# Altium PCB LH-RAM_OB_USB_A_V1.0(DY)20170519.PcbDoc (part 2 of 3)
Units mm, origin at the board's own origin, x right, y up, seen from the top; angles counter-clockwise.
Board outline 99.09 x 92.63 mm, 2 copper layers (Top Layer, Bottom Layer); 280 components, 27 nets, 1180 pads, 290 vias.
Unrouted connection lines stored in the file: 234.
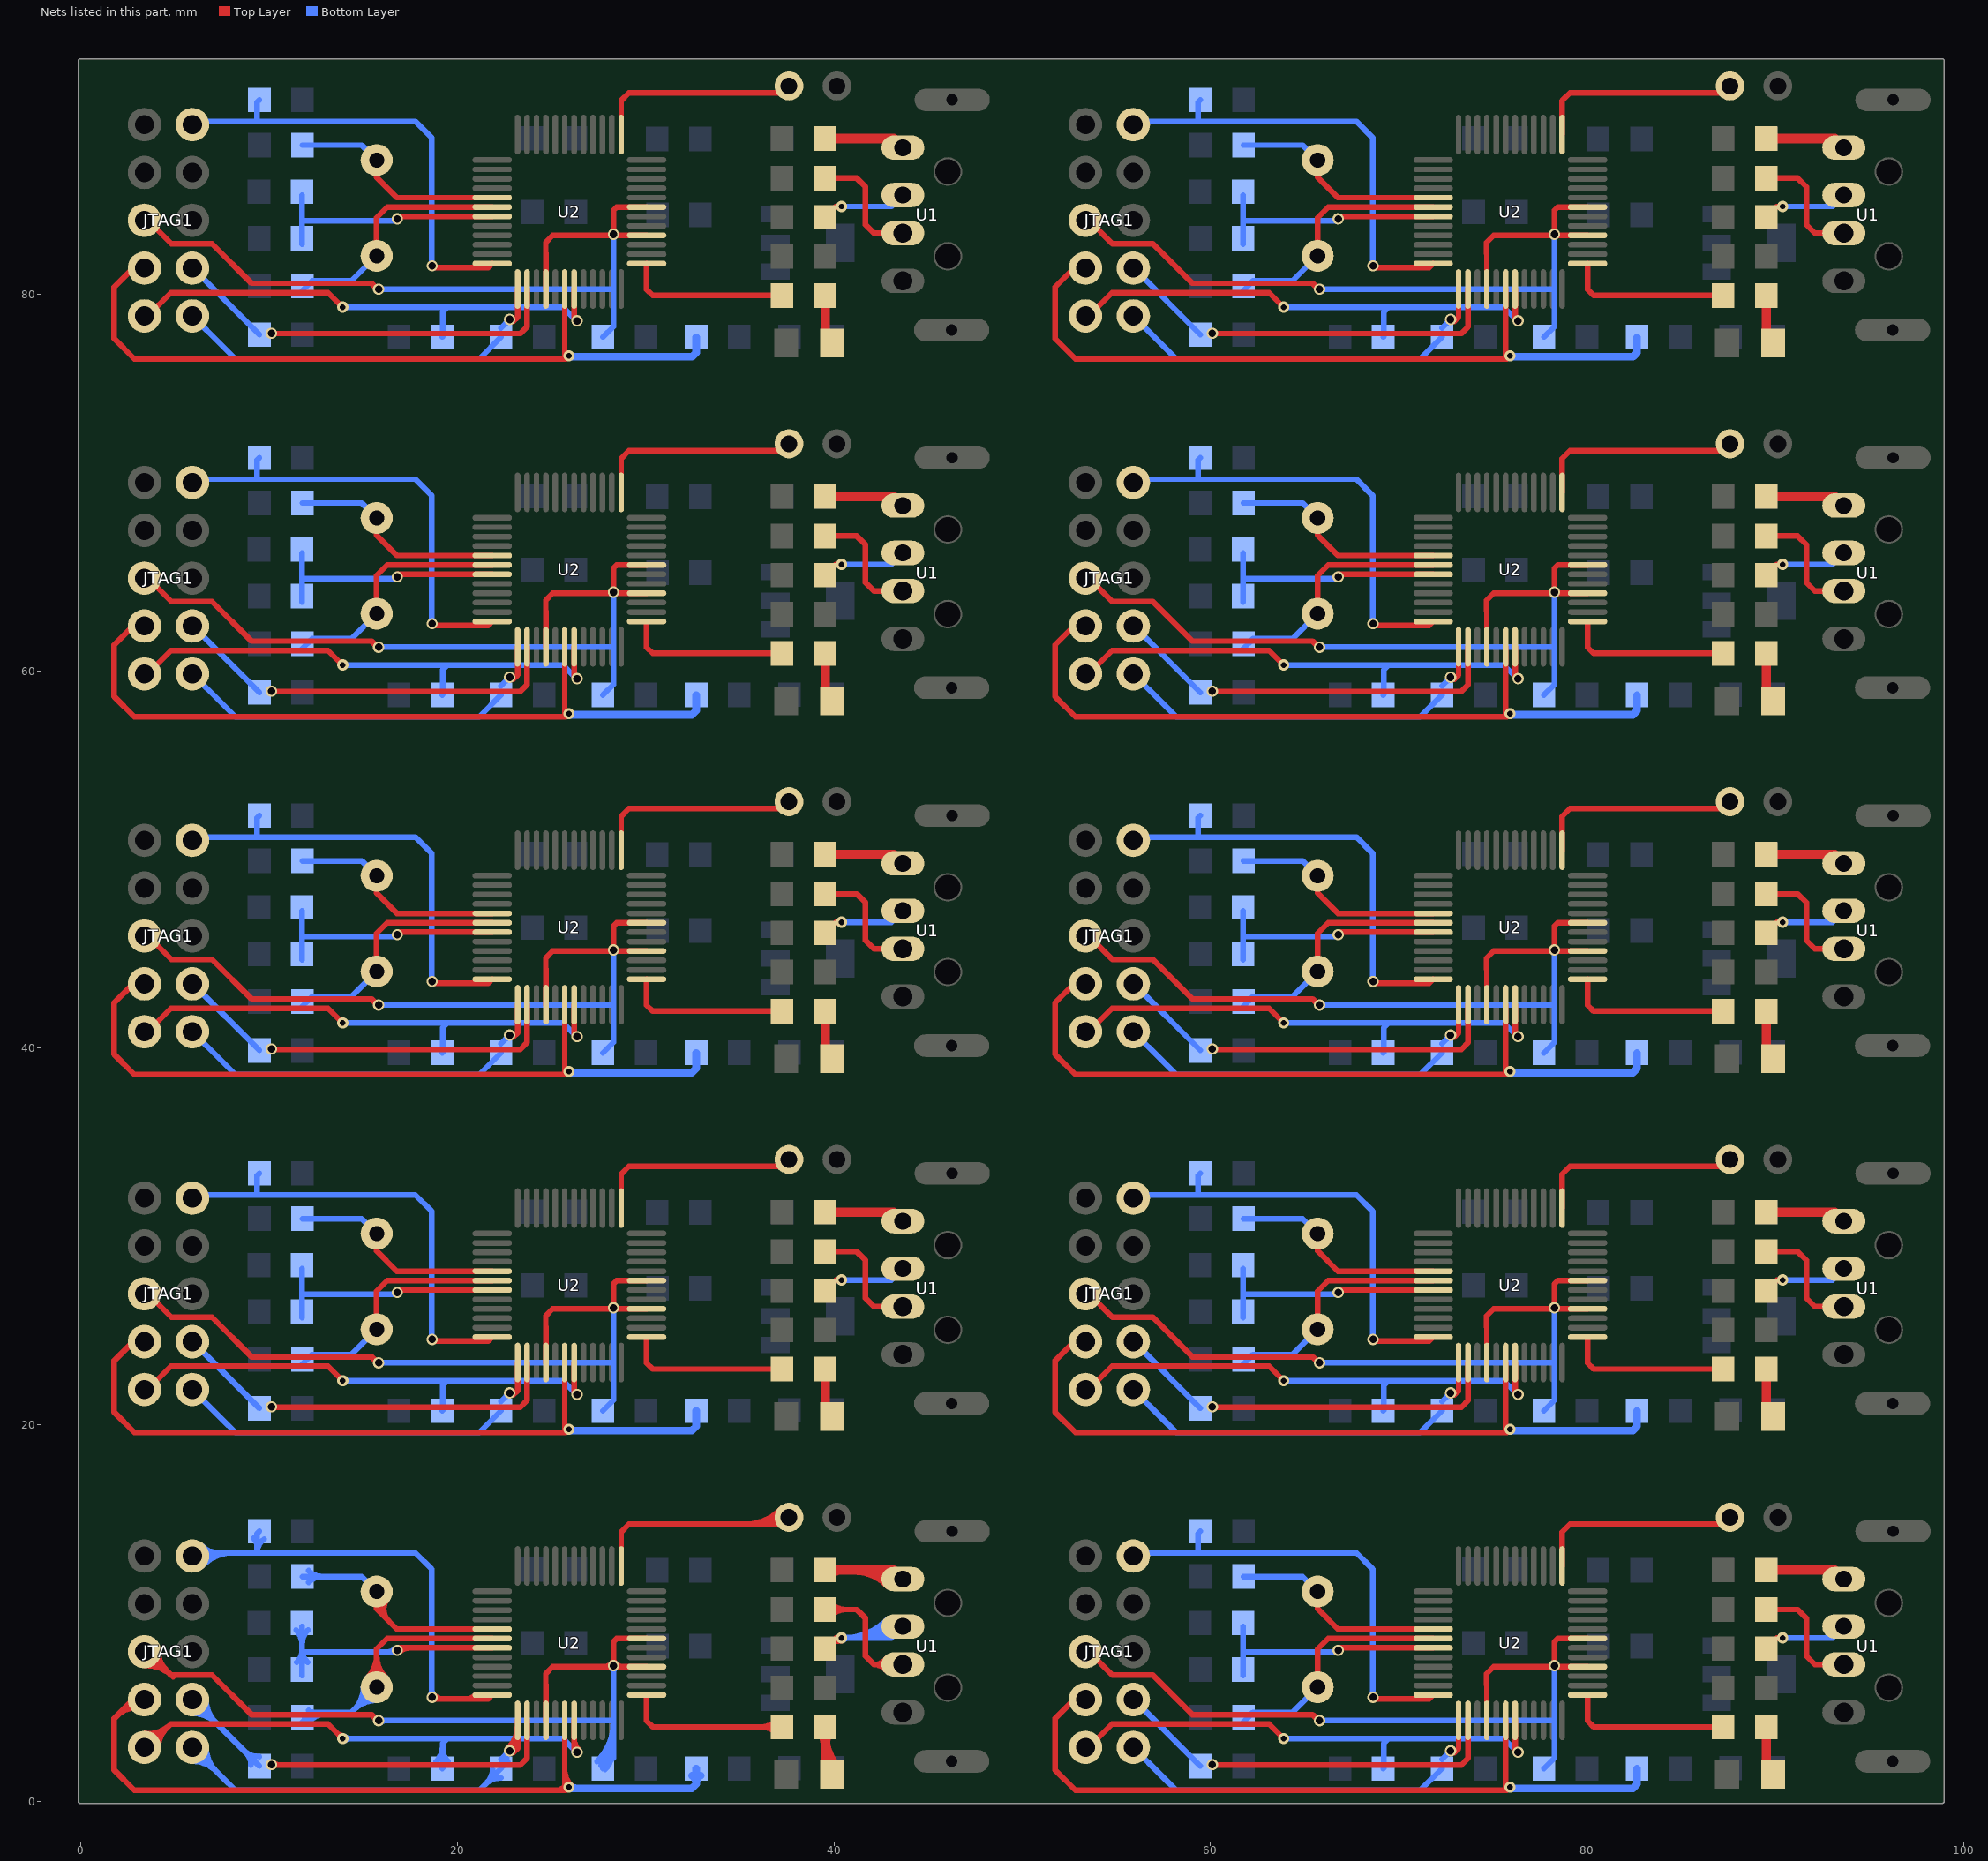
[diagram p2: the nets of this part, all layers, seen from the top]

## Via types
v1: diameter 0.6, hole 0.4, Top Layer to Bottom Layer, 260 vias
v2: diameter 0.6, hole 0.3, Top Layer to Bottom Layer, 30 vias

## Nets (pads, with @x,y where several pads share a name; then routed paths per layer and width w, separated by ;. In a path a pad name is that pad's centre, name@x,y a point inside that pad or via, vN(x,y) a via of type N, cw(c..) or ccw(c..) an arc to the next point about the centre after c; other vN are vias at no path point) (continued)
JTCK: JTAG1.1 R6.2 U2.13 | length 214.4
  Top Layer w0.3: v1@22.678,2.773 ccw(c21.396,4.055) U2.13@23.209,4.055 ; v1@22.884,2.779 ccw(c23.042,2.954) 23.209,2.787 ; v1@22.885,2.565 22.987,2.565 23.209,2.787 ; v1@22.885,21.565 22.987,21.565 23.209,21.786 U2.13@23.209,23.281 ; v1@22.885,40.565 22.987,40.565 23.209,40.786 U2.13@23.209,42.281 ; v1@22.885,59.565 22.987,59.565 23.209,59.786 U2.13@23.209,61.281 ; v1@22.885,78.565 22.987,78.565 23.209,78.786 U2.13@23.209,80.281 ; v1@22.89,2.561 ccw(c22.12,3.331) U2.13@23.209,3.331 ; U2.13@23.209,4.282 23.209,2.787 ; v1@72.847,2.565 72.949,2.565 73.171,2.787 U2.13@73.171,4.282 ; v1@72.847,21.565 72.949,21.565 73.171,21.786 U2.13@73.171,23.281 ; v1@72.847,40.565 72.949,40.565 73.171,40.786 U2.13@73.171,42.281 ; v1@72.847,59.565 72.949,59.565 73.171,59.786 U2.13@73.171,61.281 ; v1@72.847,78.565 72.949,78.565 73.171,78.786 U2.13@73.171,80.281
  Bottom Layer w0.3: JTAG1.1@5.934,2.111 cw(c5.934,0.327) 7.196,1.589 cw(c8.457,2.85) JTAG1.1@6.673,2.85 ; JTAG1.1@5.934,2.411 cw(c5.934,1.351) 6.683,2.101 cw(c7.433,2.85) JTAG1.1@6.373,2.85 ; JTAG1.1@5.934,2.85 7.516,1.268 8.215,0.569 21.169,0.569 R6.2@22.327,1.727 ; JTAG1.1@5.934,21.849 7.516,20.267 8.215,19.568 21.169,19.568 R6.2@22.327,20.726 ; JTAG1.1@5.934,40.849 7.516,39.267 8.215,38.568 21.169,38.568 R6.2@22.327,39.726 ; JTAG1.1@5.934,59.849 7.516,58.267 8.215,57.568 21.169,57.568 R6.2@22.327,58.726 ; JTAG1.1@5.934,78.849 7.516,77.267 8.215,76.568 21.169,76.568 R6.2@22.327,77.726 ; 21.473,0.874 cw(c22.327,0.02) R6.2@22.327,1.227 ; 21.594,0.994 ccw(c20.911,1.677) R6.2@21.877,1.677 ; R6.2@22.327,2.21 v1(22.784,2.667) ccw(c23.157,2.294) R6.2@22.709,2.015 ; R6.2@22.327,21.209 v1(22.784,21.666) ; R6.2@22.327,40.209 v1(22.784,40.666) ; R6.2@22.327,59.209 v1(22.784,59.666) ; R6.2@22.327,78.209 v1(22.784,78.666) ; R6.2@22.454,1.856 cw(c22.828,2.089) 22.516,2.4 ; v1@22.634,2.667 cw(c22.272,2.667) 22.528,2.411 cw(c22.784,2.155) v1@22.784,2.517 ; JTAG1.1@55.896,2.85 57.478,1.268 58.177,0.569 71.13,0.569 R6.2@72.288,1.727 ; JTAG1.1@55.896,21.849 57.478,20.267 58.177,19.568 71.13,19.568 R6.2@72.288,20.726 ; JTAG1.1@55.896,40.849 57.478,39.267 58.177,38.568 71.13,38.568 R6.2@72.288,39.726 ; JTAG1.1@55.896,59.849 57.478,58.267 58.177,57.568 71.13,57.568 R6.2@72.288,58.726 ; JTAG1.1@55.896,78.849 57.478,77.267 58.177,76.568 71.13,76.568 R6.2@72.288,77.726 ; R6.2@72.288,2.21 v1(72.746,2.667) ; R6.2@72.288,21.209 v1(72.746,21.666) ; R6.2@72.288,40.209 v1(72.746,40.666) ; R6.2@72.288,59.209 v1(72.746,59.666) ; R6.2@72.288,78.209 v1(72.746,78.666)
JTDI: JTAG1.4 R10.2 U2.18 | length 411.4
  Top Layer w0.3: 1.902,4.498 cw(c3.06,3.34) JTAG1.4@3.323,4.957 ; 2.316,4.913 cw(c3.176,4.053) JTAG1.4@3.372,5.253 ; JTAG1.4@2.794,5.39 1.788,4.384 1.788,1.641 2.86,0.569 7.518,0.569 ; JTAG1.4@2.794,24.389 1.788,23.383 1.788,20.64 2.86,19.568 7.518,19.568 ; JTAG1.4@2.794,43.389 1.788,42.383 1.788,39.64 2.86,38.568 7.518,38.568 ; JTAG1.4@2.794,62.389 1.788,61.383 1.788,58.64 2.86,57.568 7.518,57.568 ; JTAG1.4@2.794,81.389 1.788,80.383 1.788,77.64 2.86,76.568 7.518,76.568 ; 7.051,0.569 7.518,0.569 ; 7.051,19.568 7.518,19.568 ; 7.051,38.568 7.518,38.568 ; 7.051,57.568 7.518,57.568 ; 7.051,76.568 7.518,76.568 ; 25.167,0.569 ccw(c25.167,1.503) v2@25.827,0.843 ; v2@25.709,0.626 25.709,0.71 25.709,0.737 25.709,2.929 U2.18@25.709,4.282 ; 25.709,1.641 ccw(c26.838,1.641) v2@26.039,0.843 ; v2@25.709,19.626 25.709,19.709 25.709,19.736 25.709,21.928 U2.18@25.709,23.281 ; v2@25.709,38.626 25.709,38.709 25.709,38.736 25.709,40.928 U2.18@25.709,42.281 ; v2@25.709,57.626 25.709,57.709 25.709,57.736 25.709,59.928 ; 25.709,59.928 U2.18@25.709,61.281 ; v2@25.709,76.626 25.709,76.709 25.709,76.736 25.709,78.928 U2.18@25.709,80.281 ; v2(25.933,0.737) 25.766,0.569 7.518,0.569 ; v2(25.933,19.736) 25.766,19.568 7.518,19.568 ; v2(25.933,38.736) 25.766,38.568 7.518,38.568 ; v2(25.933,57.736) 25.766,57.568 7.518,57.568 ; v2(25.933,76.736) 25.766,76.568 7.518,76.568 ; JTAG1.4@52.756,5.39 51.75,4.384 51.75,1.641 52.822,0.569 57.48,0.569 ; JTAG1.4@52.756,24.389 51.75,23.383 51.75,20.64 52.822,19.568 57.48,19.568 ; JTAG1.4@52.756,43.389 51.75,42.383 51.75,39.64 52.822,38.568 57.48,38.568 ; JTAG1.4@52.756,62.389 51.75,61.383 51.75,58.64 52.822,57.568 57.48,57.568 ; JTAG1.4@52.756,81.389 51.75,80.383 51.75,77.64 52.822,76.568 57.48,76.568 ; 57.013,0.569 57.48,0.569 ; 57.013,19.568 57.48,19.568 ; 57.013,38.568 57.48,38.568 ; 57.013,57.568 57.48,57.568 ; 57.013,76.568 57.48,76.568 ; v2@75.671,0.626 75.671,0.71 75.671,0.737 75.671,2.929 U2.18@75.671,4.282 ; v2@75.671,19.626 75.671,19.709 75.671,19.736 75.671,21.928 U2.18@75.671,23.281 ; v2@75.671,38.626 75.671,38.709 75.671,38.736 75.671,40.928 U2.18@75.671,42.281 ; v2@75.671,57.626 75.671,57.709 75.671,57.736 75.671,59.928 ; 75.671,59.928 U2.18@75.671,61.281 ; v2@75.671,76.626 75.671,76.709 75.671,76.736 75.671,78.928 U2.18@75.671,80.281 ; v2(75.895,0.737) 75.728,0.569 57.48,0.569 ; v2(75.895,19.736) 75.728,19.568 57.48,19.568 ; v2(75.895,38.736) 75.728,38.568 57.48,38.568 ; v2(75.895,57.736) 75.728,57.568 57.48,57.568 ; v2(75.895,76.736) 75.728,76.568 57.48,76.568
  Bottom Layer w0.4: v2@25.993,0.677 32.47,0.677 32.69,0.897 ; v2@25.993,19.676 32.47,19.676 32.69,19.896 R10.2@32.69,20.726 ; v2@25.993,38.676 32.47,38.676 32.69,38.896 R10.2@32.69,39.726 ; v2@25.993,57.676 32.47,57.676 32.69,57.896 R10.2@32.69,58.726 ; v2@25.993,76.676 32.47,76.676 32.69,76.896 R10.2@32.69,77.726 ; v2@26.004,0.807 ccw(c26.318,1.121) 26.318,0.677 ; R10.2@32.456,1.352 cw(c32.129,0.897) 32.69,0.897 ; R10.2@32.69,1.727 32.69,0.897 ; R10.2@32.923,1.352 ccw(c33.25,0.897) 32.69,0.897 ; v2@75.955,0.677 82.432,0.677 82.652,0.897 R10.2@82.652,1.727 ; v2@75.955,19.676 82.432,19.676 82.652,19.896 R10.2@82.652,20.726 ; v2@75.955,38.676 82.432,38.676 82.652,38.896 R10.2@82.652,39.726 ; v2@75.955,57.676 82.432,57.676 82.652,57.896 R10.2@82.652,58.726 ; v2@75.955,76.676 82.432,76.676 82.652,76.896 R10.2@82.652,77.726
JTDO: JTAG1.6 R11.1 U2.16 U2.28 U2.31 | length 457.8
  Top Layer w0.3: JTAG1.6@2.794,7.93 JTAG1.6@3.394,7.93 3.582,7.93 4.821,6.691 6.974,6.691 9.076,4.589 15.451,4.589 v1@15.824,4.216 ; JTAG1.6@2.794,26.929 JTAG1.6@3.394,26.929 3.582,26.929 4.821,25.69 6.974,25.69 9.076,23.588 15.451,23.588 v1@15.824,23.216 ; JTAG1.6@2.794,45.929 JTAG1.6@3.394,45.929 3.582,45.929 4.821,44.69 6.974,44.69 9.076,42.588 15.451,42.588 v1@15.824,42.216 ; JTAG1.6@2.794,64.929 JTAG1.6@3.394,64.929 3.582,64.929 4.821,63.69 6.974,63.69 9.076,61.588 15.451,61.588 v1@15.824,61.216 ; JTAG1.6@2.794,83.929 JTAG1.6@3.394,83.929 3.582,83.929 4.821,82.69 6.974,82.69 9.076,80.588 15.451,80.588 v1@15.824,80.216 ; JTAG1.6@3.407,7.491 cw(c3.449,6.114) 4.424,7.088 ; JTAG1.6@3.416,7.192 cw(c3.478,5.161) 4.915,6.597 ; JTAG1.6@4.133,7.93 ccw(c5.464,7.93) 4.523,6.989 ; U2.16@24.709,4.282 24.709,6.167 24.699,6.177 24.699,6.761 25.07,7.132 v1@28.239,7.132 ; U2.16@24.709,23.281 24.709,25.166 24.699,25.176 24.699,25.761 25.07,26.131 v1@28.239,26.131 ; U2.16@24.709,42.281 24.709,44.166 24.699,44.176 24.699,44.761 25.07,45.131 v1@28.239,45.131 ; U2.16@24.709,61.281 24.709,63.166 24.699,63.176 24.699,63.761 25.07,64.131 v1@28.239,64.131 ; U2.16@24.709,80.281 24.709,82.166 24.699,82.176 24.699,82.761 25.07,83.131 v1@28.239,83.131 ; 27.798,7.132 ccw(c27.798,7.686) 28.19,7.294 ccw(c27.933,7.55) 28.296,7.55 ccw(c28.658,7.55) 28.402,7.294 ccw(c28.793,7.686) 28.793,7.132 ; v1(28.296,7.188) 28.296,8.458 28.469,8.632 U2.31@30.059,8.632 ; v1(28.296,26.187) 28.296,27.457 28.469,27.631 U2.31@30.059,27.631 ; v1(28.296,45.187) 28.296,46.457 28.469,46.631 U2.31@30.059,46.631 ; v1(28.296,64.187) 28.296,65.457 28.469,65.631 U2.31@30.059,65.631 ; v1(28.296,83.187) 28.296,84.457 28.469,84.631 U2.31@30.059,84.631 ; v1@28.352,7.132 U2.28@30.059,7.132 ; v1@28.352,26.131 U2.28@30.059,26.131 ; v1@28.352,45.131 U2.28@30.059,45.131 ; v1@28.352,64.131 U2.28@30.059,64.131 ; v1@28.352,83.131 U2.28@30.059,83.131 ; JTAG1.6@52.756,7.93 JTAG1.6@53.356,7.93 53.544,7.93 54.783,6.691 56.936,6.691 59.038,4.589 65.413,4.589 v1@65.786,4.216 ; JTAG1.6@52.756,26.929 JTAG1.6@53.356,26.929 53.544,26.929 54.783,25.69 56.936,25.69 59.038,23.588 65.413,23.588 v1@65.786,23.216 ; JTAG1.6@52.756,45.929 JTAG1.6@53.356,45.929 53.544,45.929 54.783,44.69 56.936,44.69 59.038,42.588 65.413,42.588 v1@65.786,42.216 ; JTAG1.6@52.756,64.929 JTAG1.6@53.356,64.929 53.544,64.929 54.783,63.69 56.936,63.69 59.038,61.588 65.413,61.588 v1@65.786,61.216 ; JTAG1.6@52.756,83.929 JTAG1.6@53.356,83.929 53.544,83.929 54.783,82.69 56.936,82.69 59.038,80.588 65.413,80.588 v1@65.786,80.216 ; U2.16@74.671,4.282 74.671,6.167 74.661,6.177 74.661,6.761 75.032,7.132 v1@78.201,7.132 ; U2.16@74.671,23.281 74.671,25.166 74.661,25.176 74.661,25.761 75.032,26.131 v1@78.201,26.131 ; U2.16@74.671,42.281 74.671,44.166 74.661,44.176 74.661,44.761 75.032,45.131 v1@78.201,45.131 ; U2.16@74.671,61.281 74.671,63.166 74.661,63.176 74.661,63.761 75.032,64.131 v1@78.201,64.131 ; U2.16@74.671,80.281 74.671,82.166 74.661,82.176 74.661,82.761 75.032,83.131 v1@78.201,83.131 ; v1(78.257,7.188) 78.257,8.458 78.431,8.632 U2.31@80.021,8.632 ; v1(78.257,26.187) 78.257,27.457 78.431,27.631 U2.31@80.021,27.631 ; v1(78.257,45.187) 78.257,46.457 78.431,46.631 U2.31@80.021,46.631 ; v1(78.257,64.187) 78.257,65.457 78.431,65.631 U2.31@80.021,65.631 ; v1(78.257,83.187) 78.257,84.457 78.431,84.631 U2.31@80.021,84.631 ; v1@78.314,7.132 U2.28@80.021,7.132 ; v1@78.314,26.131 U2.28@80.021,26.131 ; v1@78.314,45.131 U2.28@80.021,45.131 ; v1@78.314,64.131 U2.28@80.021,64.131 ; v1@78.314,83.131 U2.28@80.021,83.131
  Bottom Layer w0.3: v1(15.824,4.267) 28.245,4.267 28.296,4.216 ; v1(15.824,23.266) 28.245,23.266 28.296,23.216 ; v1(15.824,42.266) 28.245,42.266 28.296,42.216 ; v1(15.824,61.266) 28.245,61.266 28.296,61.216 ; v1(15.824,80.266) 28.245,80.266 28.296,80.216 ; v1@15.93,4.161 cw(c16.186,3.905) 16.186,4.267 cw(c16.186,4.629) v1@15.93,4.373 ; R11.1@27.419,2.095 ccw(c25.301,4.213) 28.296,4.213 ; R11.1@27.631,1.883 ccw(c26.026,3.488) 28.296,3.488 ; R11.1@27.737,1.727 28.296,2.286 28.296,4.216 ; R11.1@27.737,20.726 28.296,21.285 28.296,23.216 ; R11.1@27.737,39.726 28.296,40.285 28.296,42.216 ; R11.1@27.737,58.726 28.296,59.285 28.296,61.216 ; R11.1@27.737,77.726 28.296,78.285 28.296,80.216 ; R11.1@27.843,1.671 ccw(c26.75,2.764) 28.296,2.764 ; v1@28.19,7.082 cw(c27.933,6.826) 28.296,6.826 cw(c28.658,6.826) v1@28.402,7.082 ; 28.296,4.445 28.296,5.309 ; v1(28.296,7.188) 28.296,5.309 ; 28.296,23.444 28.296,24.308 ; v1(28.296,26.187) 28.296,24.308 ; 28.296,42.444 28.296,43.308 ; v1(28.296,45.187) 28.296,43.308 ; 28.296,61.444 28.296,62.308 ; v1(28.296,64.187) 28.296,62.308 ; 28.296,80.444 28.296,81.308 ; v1(28.296,83.187) 28.296,81.308 ; v1(65.786,4.267) 78.207,4.267 78.257,4.216 ; v1(65.786,23.266) 78.207,23.266 78.257,23.216 ; v1(65.786,42.266) 78.207,42.266 78.257,42.216 ; v1(65.786,61.266) 78.207,61.266 78.257,61.216 ; v1(65.786,80.266) 78.207,80.266 78.257,80.216 ; R11.1@77.699,1.727 78.257,2.286 78.257,4.216 ; R11.1@77.699,20.726 78.257,21.285 78.257,23.216 ; R11.1@77.699,39.726 78.257,40.285 78.257,42.216 ; R11.1@77.699,58.726 78.257,59.285 78.257,61.216 ; R11.1@77.699,77.726 78.257,78.285 78.257,80.216 ; 78.257,4.445 78.257,5.309 ; v1(78.257,7.188) 78.257,5.309 ; 78.257,23.444 78.257,24.308 ; v1(78.257,26.187) 78.257,24.308 ; 78.257,42.444 78.257,43.308 ; v1(78.257,45.187) 78.257,43.308 ; 78.257,61.444 78.257,62.308 ; v1(78.257,64.187) 78.257,62.308 ; 78.257,80.444 78.257,81.308 ; v1(78.257,83.187) 78.257,81.308 ; 28.296,4.216 28.296,5.309 ; 28.296,23.216 28.296,24.308 ; 28.296,42.216 28.296,43.308 ; 28.296,61.216 28.296,62.308 ; 28.296,80.216 28.296,81.308 ; 78.257,4.216 78.257,5.309 ; 78.257,23.216 78.257,24.308 ; 78.257,42.216 78.257,43.308 ; 78.257,61.216 78.257,62.308 ; 78.257,80.216 78.257,81.308
JTMS: JTAG1.3 R7.2 U2.14 | length 215.5
  Top Layer w0.3: v1@10.208,1.915 23.353,1.915 23.709,2.271 U2.14@23.709,4.282 ; v1@10.208,20.915 23.353,20.915 23.709,21.27 U2.14@23.709,23.281 ; v1@10.208,39.915 23.353,39.915 23.709,40.27 U2.14@23.709,42.281 ; v1@10.208,58.915 23.353,58.915 23.709,59.27 U2.14@23.709,61.281 ; v1@10.208,77.915 23.353,77.915 23.709,78.27 U2.14@23.709,80.281 ; v1@10.241,1.824 cw(c10.461,1.604) 10.461,1.915 ; v1@10.241,2.036 ccw(c10.533,2.329) 10.533,1.915 ; v1@60.17,1.915 73.315,1.915 73.671,2.271 U2.14@73.671,4.282 ; v1@60.17,20.915 73.315,20.915 73.671,21.27 U2.14@73.671,23.281 ; v1@60.17,39.915 73.315,39.915 73.671,40.27 U2.14@73.671,42.281 ; v1@60.17,58.915 73.315,58.915 73.671,59.27 U2.14@73.671,61.281 ; v1@60.17,77.915 73.315,77.915 73.671,78.27 U2.14@73.671,80.281
  Bottom Layer w0.3: JTAG1.3@5.934,4.651 cw(c5.934,2.796) 7.246,4.108 ; JTAG1.3@5.934,4.951 cw(c5.934,3.82) 6.734,4.62 ; JTAG1.3@5.934,5.39 5.964,5.39 R7.2@9.5,1.854 ; JTAG1.3@5.934,24.389 5.964,24.389 R7.2@9.5,20.853 ; JTAG1.3@5.934,43.389 5.964,43.389 R7.2@9.5,39.853 ; JTAG1.3@5.934,62.389 5.964,62.389 R7.2@9.5,58.853 ; JTAG1.3@5.934,81.389 5.964,81.389 R7.2@9.5,77.853 ; JTAG1.3@6.334,5.39 JTAG1.3@6.522,5.39 ; JTAG1.3@6.334,24.389 JTAG1.3@6.522,24.389 ; JTAG1.3@6.334,43.389 JTAG1.3@6.522,43.389 ; JTAG1.3@6.334,62.389 JTAG1.3@6.522,62.389 ; JTAG1.3@6.334,81.389 JTAG1.3@6.522,81.389 ; JTAG1.3@6.373,5.39 ccw(c7.361,5.39) 6.662,4.691 ; JTAG1.3@6.673,5.39 ccw(c8.386,5.39) 7.175,4.179 ; 8.646,2.708 ccw(c9.5,3.561) R7.2@9.5,2.354 ; 8.767,2.587 cw(c8.084,1.904) R7.2@9.05,1.904 ; JTAG1.3@55.896,5.39 55.925,5.39 R7.2@59.461,1.854 ; JTAG1.3@55.896,24.389 55.925,24.389 R7.2@59.461,20.853 ; JTAG1.3@55.896,43.389 55.925,43.389 R7.2@59.461,39.853 ; JTAG1.3@55.896,62.389 55.925,62.389 R7.2@59.461,58.853 ; JTAG1.3@55.896,81.389 55.925,81.389 R7.2@59.461,77.853 ; JTAG1.3@56.296,5.39 JTAG1.3@56.484,5.39 ; JTAG1.3@56.296,24.389 JTAG1.3@56.484,24.389 ; JTAG1.3@56.296,43.389 JTAG1.3@56.484,43.389 ; JTAG1.3@56.296,62.389 JTAG1.3@56.484,62.389 ; JTAG1.3@56.296,81.389 JTAG1.3@56.484,81.389
  other v1: 10.135,1.93 60.096,1.93 10.135,20.93 60.096,20.93 10.135,39.93 60.096,39.93 10.135,58.93 60.096,58.93 10.135,77.93 60.096,77.93
JTRST: JTAG1.2 R3.2 U2.19 | length 283.5
  Top Layer w0.3: JTAG1.2@3.394,2.85 3.562,2.85 4.801,4.089 ; JTAG1.2@3.394,21.849 3.562,21.849 4.801,23.088 6.847,23.088 13.147,23.088 v2(13.919,22.316) ; JTAG1.2@3.394,40.849 3.562,40.849 4.801,42.088 6.847,42.088 13.147,42.088 v2(13.919,41.316) ; JTAG1.2@3.394,59.849 3.562,59.849 4.801,61.088 6.847,61.088 13.147,61.088 v2(13.919,60.316) ; JTAG1.2@3.394,78.849 3.562,78.849 4.801,80.088 6.847,80.088 13.147,80.088 v2(13.919,79.316) ; JTAG1.2@3.427,3.288 ccw(c3.513,4.451) 4.338,3.626 ; JTAG1.2@3.449,3.587 ccw(c3.577,5.313) 4.801,4.089 ; JTAG1.2@4.133,2.85 cw(c5.512,2.85) 4.537,3.826 ; v2@13.769,3.317 ccw(c13.407,3.317) 13.663,3.573 ccw(c13.919,3.829) v2@13.919,3.467 ; v2(13.919,3.317) 13.147,4.089 6.847,4.089 4.801,4.089 ; U2.19@26.209,3.331 ccw(c27.105,3.331) v1@26.471,2.697 ; U2.19@26.209,4.282 26.209,2.722 26.34,2.591 v1(26.365,2.591) ; U2.19@26.209,23.281 26.209,21.721 26.34,21.59 v1(26.365,21.59) ; U2.19@26.209,42.281 26.209,40.721 26.34,40.59 v1(26.365,40.59) ; U2.19@26.209,61.281 26.209,59.721 26.34,59.59 v1(26.365,59.59) ; U2.19@26.209,80.281 26.209,78.721 26.34,78.59 v1(26.365,78.59) ; JTAG1.2@53.356,2.85 53.523,2.85 54.762,4.089 56.809,4.089 63.109,4.089 v2(63.881,3.317) ; JTAG1.2@53.356,21.849 53.523,21.849 54.762,23.088 56.809,23.088 63.109,23.088 v2(63.881,22.316) ; JTAG1.2@53.356,40.849 53.523,40.849 54.762,42.088 56.809,42.088 63.109,42.088 v2(63.881,41.316) ; JTAG1.2@53.356,59.849 53.523,59.849 54.762,61.088 56.809,61.088 63.109,61.088 v2(63.881,60.316) ; JTAG1.2@53.356,78.849 53.523,78.849 54.762,80.088 56.809,80.088 63.109,80.088 v2(63.881,79.316) ; U2.19@76.171,4.282 76.171,2.722 76.302,2.591 v1(76.327,2.591) ; U2.19@76.171,23.281 76.171,21.721 76.302,21.59 v1(76.327,21.59) ; U2.19@76.171,42.281 76.171,40.721 76.302,40.59 v1(76.327,40.59) ; U2.19@76.171,61.281 76.171,59.721 76.302,59.59 v1(76.327,59.59) ; U2.19@76.171,80.281 76.171,78.721 76.302,78.59 v1(76.327,78.59)
  Bottom Layer w0.3: v2(13.919,3.317) 19.481,3.317 ; v2(13.919,22.316) 19.481,22.316 ; v2(13.919,41.316) 19.481,41.316 ; v2(13.919,60.316) 19.481,60.316 ; v2(13.919,79.316) 19.481,79.316 ; v2@14.025,3.211 cw(c14.281,2.955) 14.281,3.317 cw(c14.281,3.679) v2@14.025,3.423 ; R3.2@18.884,2.095 ccw(c18.055,2.925) 19.228,2.925 ; R3.2@19.202,1.727 19.228,1.753 19.228,3.064 19.481,3.317 ; R3.2@19.202,20.726 19.228,20.752 19.228,22.063 19.481,22.316 ; R3.2@19.202,39.726 19.228,39.752 19.228,41.063 19.481,41.316 ; R3.2@19.202,58.726 19.228,58.752 19.228,60.063 19.481,60.316 ; R3.2@19.202,77.726 19.228,77.752 19.228,79.063 19.481,79.316 ; 19.228,2.802 ccw(c20.227,2.802) R3.2@19.521,2.095 ; 26.066,2.865 ccw(c26.365,3.164) v1@26.365,2.741 ; 26.127,2.804 cw(c25.914,2.591) v1@26.215,2.591 ; v1(26.365,2.591) 26.34,2.591 25.614,3.317 19.481,3.317 ; v1(26.365,21.59) 26.34,21.59 25.614,22.316 19.481,22.316 ; v1(26.365,40.59) 26.34,40.59 25.614,41.316 19.481,41.316 ; v1(26.365,59.59) 26.34,59.59 25.614,60.316 19.481,60.316 ; v1(26.365,78.59) 26.34,78.59 25.614,79.316 19.481,79.316 ; v2(63.881,3.317) 69.443,3.317 ; v2(63.881,22.316) 69.443,22.316 ; v2(63.881,41.316) 69.443,41.316 ; v2(63.881,60.316) 69.443,60.316 ; v2(63.881,79.316) 69.443,79.316 ; R3.2@69.164,1.727 69.19,1.753 69.19,3.064 69.443,3.317 ; R3.2@69.164,20.726 69.19,20.752 69.19,22.063 69.443,22.316 ; R3.2@69.164,39.726 69.19,39.752 69.19,41.063 69.443,41.316 ; R3.2@69.164,58.726 69.19,58.752 69.19,60.063 69.443,60.316 ; R3.2@69.164,77.726 69.19,77.752 69.19,79.063 69.443,79.316 ; v1(76.327,2.591) 76.302,2.591 75.575,3.317 69.443,3.317 ; v1(76.327,21.59) 76.302,21.59 75.575,22.316 69.443,22.316 ; v1(76.327,40.59) 76.302,40.59 75.575,41.316 69.443,41.316 ; v1(76.327,59.59) 76.302,59.59 75.575,60.316 69.443,60.316 ; v1(76.327,78.59) 76.302,78.59 75.575,79.316 69.443,79.316
LED: R9.1 U2.25 | length 88.7
  Top Layer w0.3: U2.25@30.059,5.632 30.059,4.257 30.378,3.937 R9.1@37.254,3.937 ; U2.25@30.059,24.631 30.059,23.256 30.378,22.936 R9.1@37.254,22.936 ; U2.25@30.059,43.631 30.059,42.256 30.378,41.936 R9.1@37.254,41.936 ; U2.25@30.059,62.631 30.059,61.256 30.378,60.936 R9.1@37.254,60.936 ; U2.25@30.059,81.631 30.059,80.256 30.378,79.936 R9.1@37.254,79.936 ; R9.1@36.936,3.619 ccw(c36.168,2.851) 36.168,3.937 ccw(c36.168,5.023) R9.1@36.936,4.255 ; U2.25@80.021,5.632 80.021,4.257 80.34,3.937 R9.1@87.216,3.937 ; U2.25@80.021,24.631 80.021,23.256 80.34,22.936 R9.1@87.216,22.936 ; U2.25@80.021,43.631 80.021,42.256 80.34,41.936 R9.1@87.216,41.936 ; U2.25@80.021,62.631 80.021,61.256 80.34,60.936 R9.1@87.216,60.936 ; U2.25@80.021,81.631 80.021,80.256 80.34,79.936 R9.1@87.216,79.936
NetC3_2: C3.2 U2.5 Y1.2 | length 122.8
  Top Layer w0.3: Y1.2@15.723,11.125 15.723,10.211 16.801,9.132 U2.5@21.859,9.132 ; Y1.2@15.723,30.124 15.723,29.21 16.801,28.131 U2.5@21.859,28.131 ; Y1.2@15.723,49.124 15.723,48.21 16.801,47.131 U2.5@21.859,47.131 ; Y1.2@15.723,68.124 15.723,67.21 16.801,66.131 U2.5@21.859,66.131 ; Y1.2@15.723,87.124 15.723,86.21 16.801,85.131 U2.5@21.859,85.131 ; Y1.2@15.802,11.064 ccw(c16.396,10.602) 15.863,10.07 ; Y1.2@16.038,10.88 ccw(c16.666,10.392) 16.104,9.83 ; Y1.2@16.275,10.696 ccw(c16.936,10.181) 16.344,9.589 ; Y1.2@65.684,11.125 65.684,10.211 66.763,9.132 U2.5@71.821,9.132 ; Y1.2@65.684,30.124 65.684,29.21 66.763,28.131 U2.5@71.821,28.131 ; Y1.2@65.684,49.124 65.684,48.21 66.763,47.131 U2.5@71.821,47.131 ; Y1.2@65.684,68.124 65.684,67.21 66.763,66.131 U2.5@71.821,66.131 ; Y1.2@65.684,87.124 65.684,86.21 66.763,85.131 U2.5@71.821,85.131
  Bottom Layer w0.3: C3.2@11.782,11.919 14.928,11.919 Y1.2@15.723,11.125 ; C3.2@11.782,30.919 14.928,30.919 Y1.2@15.723,30.124 ; C3.2@11.782,49.919 14.928,49.919 Y1.2@15.723,49.124 ; C3.2@11.782,68.919 14.928,68.919 Y1.2@15.723,68.124 ; C3.2@11.782,87.919 14.928,87.919 Y1.2@15.723,87.124 ; C3.2@12.1,11.601 cw(c12.868,10.833) 12.868,11.919 cw(c12.868,13.006) C3.2@12.1,12.238 ; C3.2@61.744,11.919 64.89,11.919 Y1.2@65.684,11.125 ; C3.2@61.744,30.919 64.89,30.919 Y1.2@65.684,30.124 ; C3.2@61.744,49.919 64.89,49.919 Y1.2@65.684,49.124 ; C3.2@61.744,68.919 64.89,68.919 Y1.2@65.684,68.124 ; C3.2@61.744,87.919 64.89,87.919 Y1.2@65.684,87.124
NetC4_2: C4.2 U2.6 Y1.1 | length 141.9
  Top Layer w0.3: Y1.1@15.228,6.54 ccw(c14.033,7.735) 15.723,7.735 ccw(c17.413,7.735) Y1.1@16.218,6.54 ; Y1.1@15.44,6.328 ccw(c14.757,7.011) 15.723,7.011 ccw(c16.688,7.011) Y1.1@16.005,6.328 ; Y1.1@15.723,6.045 15.723,8.073 16.281,8.632 U2.6@21.859,8.632 ; Y1.1@15.723,25.044 15.723,27.072 16.281,27.631 U2.6@21.859,27.631 ; Y1.1@15.723,44.044 15.723,46.072 16.281,46.631 U2.6@21.859,46.631 ; Y1.1@15.723,63.044 15.723,65.072 16.281,65.631 U2.6@21.859,65.631 ; Y1.1@15.723,82.044 15.723,84.072 16.281,84.631 U2.6@21.859,84.631 ; Y1.1@65.684,6.045 65.684,8.073 66.243,8.632 U2.6@71.821,8.632 ; Y1.1@65.684,25.044 65.684,27.072 66.243,27.631 U2.6@71.821,27.631 ; Y1.1@65.684,44.044 65.684,46.072 66.243,46.631 U2.6@71.821,46.631 ; Y1.1@65.684,63.044 65.684,65.072 66.243,65.631 U2.6@71.821,65.631 ; Y1.1@65.684,82.044 65.684,84.072 66.243,84.631 U2.6@71.821,84.631
  Bottom Layer w0.3: C4.2@11.782,4.198 12.294,4.709 14.387,4.709 Y1.1@15.723,6.045 ; C4.2@11.782,23.197 12.294,23.708 14.387,23.708 Y1.1@15.723,25.044 ; C4.2@11.782,42.197 12.294,42.708 14.387,42.708 Y1.1@15.723,44.044 ; C4.2@11.782,61.197 12.294,61.708 14.387,61.708 Y1.1@15.723,63.044 ; C4.2@11.782,80.197 12.294,80.708 14.387,80.708 Y1.1@15.723,82.044 ; C4.2@11.888,4.396 cw(c12.645,3.639) 12.645,4.709 ; C4.2@12.1,4.184 cw(c13.369,2.914) 13.369,4.709 ; C4.2@12.1,4.82 ccw(c12.368,5.087) C4.2@12.368,4.709 ; Y1.1@15.023,6.045 cw(c13.333,6.045) 14.528,4.85 cw(c15.723,3.655) Y1.1@15.723,5.345 ; Y1.1@15.323,6.045 cw(c14.357,6.045) 15.04,5.362 cw(c15.723,4.68) Y1.1@15.723,5.645 ; C4.2@61.744,4.198 62.255,4.709 64.348,4.709 Y1.1@65.684,6.045 ; C4.2@61.744,23.197 62.255,23.708 64.348,23.708 Y1.1@65.684,25.044 ; C4.2@61.744,42.197 62.255,42.708 64.348,42.708 Y1.1@65.684,44.044 ; C4.2@61.744,61.197 62.255,61.708 64.348,61.708 Y1.1@65.684,63.044 ; C4.2@61.744,80.197 62.255,80.708 64.348,80.708 Y1.1@65.684,82.044
NetC5_1: C5.1 R8.1 U2.7 | length 131.5
  Top Layer w0.3: v1@16.844,8.132 U2.7@21.859,8.132 ; v1@16.844,27.131 U2.7@21.859,27.131 ; v1@16.844,46.131 U2.7@21.859,46.131 ; v1@16.844,65.131 U2.7@21.859,65.131 ; v1@16.844,84.131 U2.7@21.859,84.131 ; v1@16.921,7.895 cw(c17.493,7.323) 17.493,8.132 ; v1@66.806,8.132 U2.7@71.821,8.132 ; v1@66.806,27.131 U2.7@71.821,27.131 ; v1@66.806,46.131 U2.7@71.821,46.131 ; v1@66.806,65.131 U2.7@71.821,65.131 ; v1@66.806,84.131 U2.7@71.821,84.131
  Bottom Layer w0.3: R8.1@11.442,9.081 cw(c10.665,8.304) 11.764,8.304 ; C5.1@11.473,7.372 ccw(c10.945,7.997) 11.764,7.997 ; C5.1@11.76,6.662 11.764,6.658 11.764,7.997 ; R8.1@11.76,9.261 11.764,9.257 11.764,7.997 ; C5.1@11.76,25.661 11.764,25.657 11.764,26.997 ; R8.1@11.76,28.26 11.764,28.257 11.764,26.997 ; C5.1@11.76,44.661 11.764,44.657 11.764,45.997 ; R8.1@11.76,47.26 11.764,47.257 11.764,45.997 ; C5.1@11.76,63.661 11.764,63.657 11.764,64.997 ; R8.1@11.76,66.26 11.764,66.257 11.764,64.997 ; C5.1@11.76,82.661 11.764,82.657 11.764,83.997 ; R8.1@11.76,85.26 11.764,85.257 11.764,83.997 ; 11.764,8.321 cw(c12.838,8.321) R8.1@12.078,9.081 ; C5.1@12.054,7.372 cw(c12.582,7.997) 11.764,7.997 ; 16.207,7.899 ccw(c16.207,8.608) v1@16.709,8.107 ; v1@16.815,7.899 11.862,7.899 11.764,7.997 ; v1@16.815,26.899 11.862,26.899 11.764,26.997 ; v1@16.815,45.899 11.862,45.899 11.764,45.997 ; v1@16.815,64.899 11.862,64.899 11.764,64.997 ; v1@16.815,83.899 11.862,83.899 11.764,83.997 ; C5.1@61.722,6.662 61.726,6.658 61.726,7.997 ; R8.1@61.722,9.261 61.726,9.257 61.726,7.997 ; C5.1@61.722,25.661 61.726,25.657 61.726,26.997 ; R8.1@61.722,28.26 61.726,28.257 61.726,26.997 ; C5.1@61.722,44.661 61.726,44.657 61.726,45.997 ; R8.1@61.722,47.26 61.726,47.257 61.726,45.997 ; C5.1@61.722,63.661 61.726,63.657 61.726,64.997 ; R8.1@61.722,66.26 61.726,66.257 61.726,64.997 ; C5.1@61.722,82.661 61.726,82.657 61.726,83.997 ; R8.1@61.722,85.26 61.726,85.257 61.726,83.997 ; v1@66.777,7.899 61.824,7.899 61.726,7.997 ; v1@66.777,26.899 61.824,26.899 61.726,26.997 ; v1@66.777,45.899 61.824,45.899 61.726,45.997 ; v1@66.777,64.899 61.824,64.899 61.726,64.997 ; v1@66.777,83.899 61.824,83.899 61.726,83.997
  other v1: 16.815,8.001 66.777,8.001 16.815,27 66.777,27 16.815,46 66.777,46 16.815,65 66.777,65 16.815,84 66.777,84
NetD1_2: LED.2 R9.2 | length 30.4
  Top Layer w0.5: R9.2@39.293,3.64 cw(c38.695,3.042) 39.54,3.042 cw(c40.385,3.042) R9.2@39.788,3.64 ; LED.2@39.54,2.149 ccw(c40.503,2.149) LED.2@39.822,1.468 ; R9.2@39.54,3.356 ccw(c41.71,3.356) LED.2@40.176,1.822 ; R9.2@39.54,3.937 39.54,1.786 LED.2@39.903,1.422 ; R9.2@39.54,22.936 39.54,20.785 LED.2@39.903,20.422 ; R9.2@39.54,41.936 39.54,39.785 LED.2@39.903,39.422 ; R9.2@39.54,60.936 39.54,58.785 LED.2@39.903,58.422 ; R9.2@39.54,79.936 39.54,77.785 LED.2@39.903,77.422 ; R9.2@89.502,3.937 89.502,1.786 LED.2@89.865,1.422 ; R9.2@89.502,22.936 89.502,20.785 LED.2@89.865,20.422 ; R9.2@89.502,41.936 89.502,39.785 LED.2@89.865,39.422 ; R9.2@89.502,60.936 89.502,58.785 LED.2@89.865,58.422 ; R9.2@89.502,79.936 89.502,77.785 LED.2@89.865,77.422
NetFB1_1: FB1.1 U1.1 | length 48.9
  Top Layer w0.3: FB1.1@39.54,12.243 39.566,12.243 FB1.1@39.54,12.268 ; FB1.1@39.54,31.242 39.566,31.242 FB1.1@39.54,31.267 ; FB1.1@39.54,50.242 39.566,50.242 FB1.1@39.54,50.267 ; FB1.1@39.54,69.242 39.566,69.242 FB1.1@39.54,69.267 ; FB1.1@39.54,88.242 39.566,88.242 FB1.1@39.54,88.267 ; U1.1@43.371,12.243 43.396,12.243 U1.1@43.371,12.268 ; U1.1@43.371,31.242 43.396,31.242 U1.1@43.371,31.267 ; U1.1@43.371,50.242 43.396,50.242 U1.1@43.371,50.267 ; U1.1@43.371,69.242 43.396,69.242 U1.1@43.371,69.267 ; U1.1@43.371,88.242 43.396,88.242 U1.1@43.371,88.267 ; FB1.1@89.502,12.243 89.527,12.243 FB1.1@89.502,12.268 ; FB1.1@89.502,31.242 89.527,31.242 FB1.1@89.502,31.267 ; FB1.1@89.502,50.242 89.527,50.242 FB1.1@89.502,50.267 ; FB1.1@89.502,69.242 89.527,69.242 FB1.1@89.502,69.267 ; FB1.1@89.502,88.242 89.527,88.242 FB1.1@89.502,88.267 ; U1.1@93.333,12.243 93.358,12.243 U1.1@93.333,12.268 ; U1.1@93.333,31.242 93.358,31.242 U1.1@93.333,31.267 ; U1.1@93.333,50.242 93.358,50.242 U1.1@93.333,50.267 ; U1.1@93.333,69.242 93.358,69.242 U1.1@93.333,69.267 ; U1.1@93.333,88.242 93.358,88.242 U1.1@93.333,88.267
  Top Layer w0.5: FB1.1@39.54,12.268 43.18,12.268 U1.1@43.663,11.786 ; FB1.1@39.54,31.267 43.18,31.267 U1.1@43.663,30.785 ; FB1.1@39.54,50.267 43.18,50.267 U1.1@43.663,49.785 ; FB1.1@39.54,69.267 43.18,69.267 U1.1@43.663,68.785 ; FB1.1@39.54,88.267 43.18,88.267 U1.1@43.663,87.785 ; FB1.1@39.788,12.021 cw(c40.385,11.423) 40.385,12.268 cw(c40.385,13.113) FB1.1@39.788,12.516 ; 41.042,12.268 cw(c41.042,9.66) U1.1@42.886,11.504 ; 42.249,12.268 cw(c42.249,10.867) U1.1@43.24,11.858 ; FB1.1@89.502,12.268 93.142,12.268 U1.1@93.624,11.786 ; FB1.1@89.502,31.267 93.142,31.267 U1.1@93.624,30.785 ; FB1.1@89.502,50.267 93.142,50.267 U1.1@93.624,49.785 ; FB1.1@89.502,69.267 93.142,69.267 U1.1@93.624,68.785 ; FB1.1@89.502,88.267 93.142,88.267 U1.1@93.624,87.785
NetR1_1: R1.1 U1.2 | length 56.1
  Top Layer w0.3: R1.1@39.54,8.09 40.112,8.661 v2(40.411,8.661) ; R1.1@39.54,27.089 40.112,27.661 v2(40.411,27.661) ; R1.1@39.54,46.089 40.112,46.661 v2(40.411,46.661) ; R1.1@39.54,65.089 40.112,65.661 v2(40.411,65.661) ; R1.1@39.54,84.089 40.112,84.661 v2(40.411,84.661) ; R1.1@39.644,8.193 cw(c40.411,7.426) v2@40.411,8.511 ; R1.1@89.502,8.09 90.073,8.661 v2(90.373,8.661) ; R1.1@89.502,27.089 90.073,27.661 v2(90.373,27.661) ; R1.1@89.502,46.089 90.073,46.661 v2(90.373,46.661) ; R1.1@89.502,65.089 90.073,65.661 v2(90.373,65.661) ; R1.1@89.502,84.089 90.073,84.661 v2(90.373,84.661)
  Top Layer w0.4: R1.1@39.54,8.09 R1.1@39.654,7.976 ; R1.1@39.54,27.089 R1.1@39.654,26.975 ; R1.1@39.54,46.089 R1.1@39.654,45.975 ; R1.1@39.54,65.089 R1.1@39.654,64.975 ; R1.1@39.54,84.089 R1.1@39.654,83.975 ; R1.1@89.502,8.09 R1.1@89.616,7.976 ; R1.1@89.502,27.089 R1.1@89.616,26.975 ; R1.1@89.502,46.089 R1.1@89.616,45.975 ; R1.1@89.502,65.089 R1.1@89.616,64.975 ; R1.1@89.502,84.089 R1.1@89.616,83.975
  Bottom Layer w0.3: v2(40.411,8.661) 43.053,8.661 U1.2@43.663,9.271 ; v2(40.411,27.661) 43.053,27.661 U1.2@43.663,28.27 ; v2(40.411,46.661) 43.053,46.661 U1.2@43.663,47.27 ; v2(40.411,65.661) 43.053,65.661 U1.2@43.663,66.27 ; v2(40.411,84.661) 43.053,84.661 U1.2@43.663,85.27 ; v2@40.494,8.661 ccw(c40.494,11.944) U1.2@42.815,9.623 ; v2@40.517,8.555 cw(c40.774,8.299) 40.774,8.661 cw(c40.774,9.024) v2@40.517,8.767 ; 41.218,8.661 ccw(c41.218,11.22) U1.2@43.028,9.411 ; 41.943,8.661 ccw(c41.943,10.496) U1.2@43.24,9.199 ; 42.667,8.661 ccw(c42.667,9.771) U1.2@43.452,8.987 ; v2(90.373,8.661) 93.015,8.661 U1.2@93.624,9.271 ; v2(90.373,27.661) 93.015,27.661 U1.2@93.624,28.27 ; v2(90.373,46.661) 93.015,46.661 U1.2@93.624,47.27 ; v2(90.373,65.661) 93.015,65.661 U1.2@93.624,66.27 ; v2(90.373,84.661) 93.015,84.661 U1.2@93.624,85.27
NetR2_1: R2.1 U1.3 | length 69.6
  Top Layer w0.3: R2.1@39.668,10.166 R2.1@39.54,10.166 41.218,10.166 41.681,9.703 41.681,8.128 41.681,7.696 42.129,7.249 ; R2.1@39.668,29.166 R2.1@39.54,29.166 41.218,29.166 41.681,28.702 41.681,27.127 41.681,26.695 42.129,26.248 U1.3@43.664,26.248 ; R2.1@39.668,48.166 R2.1@39.54,48.166 41.218,48.166 41.681,47.702 41.681,46.127 41.681,45.695 42.129,45.248 U1.3@43.664,45.248 ; R2.1@39.668,67.166 R2.1@39.54,67.166 41.218,67.166 41.681,66.702 41.681,65.127 41.681,64.695 42.129,64.248 U1.3@43.664,64.248 ; R2.1@39.668,86.166 R2.1@39.54,86.166 41.218,86.166 41.681,85.702 41.681,84.127 41.681,83.695 42.129,83.248 U1.3@43.664,83.248 ; R2.1@39.858,9.848 cw(c40.627,9.08) 40.627,10.166 cw(c40.627,11.253) R2.1@39.858,10.485 ; U1.3@42.781,6.937 ccw(c42.129,6.412) 42.129,7.249 ; U1.3@42.781,7.561 cw(c42.129,8.086) 42.129,7.249 ; U1.3@43.664,7.249 42.129,7.249 ; R2.1@89.63,10.166 R2.1@89.502,10.166 91.18,10.166 91.643,9.703 91.643,8.128 91.643,7.696 92.09,7.249 U1.3@93.625,7.249 ; R2.1@89.63,29.166 R2.1@89.502,29.166 91.18,29.166 91.643,28.702 91.643,27.127 91.643,26.695 92.09,26.248 U1.3@93.625,26.248 ; R2.1@89.63,48.166 R2.1@89.502,48.166 91.18,48.166 91.643,47.702 91.643,46.127 91.643,45.695 92.09,45.248 U1.3@93.625,45.248 ; R2.1@89.63,67.166 R2.1@89.502,67.166 91.18,67.166 91.643,66.702 91.643,65.127 91.643,64.695 92.09,64.248 U1.3@93.625,64.248 ; R2.1@89.63,86.166 R2.1@89.502,86.166 91.18,86.166 91.643,85.702 91.643,84.127 91.643,83.695 92.09,83.248 U1.3@93.625,83.248
NRESET: JTAG1.9 R5.2 U2.12 | length 250.9
  Top Layer w0.3: v1@18.705,5.425 21.652,5.425 U2.12@21.859,5.632 ; v1@18.705,24.424 21.652,24.424 U2.12@21.859,24.631 ; v1@18.705,43.424 21.652,43.424 U2.12@21.859,43.631 ; v1@18.705,62.424 21.652,62.424 U2.12@21.859,62.631 ; v1@18.705,81.424 21.652,81.424 U2.12@21.859,81.631 ; v1@18.775,5.618 ccw(c19.24,6.083) 19.24,5.425 ; 20.46,5.425 ccw(c20.46,6.131) U2.12@20.959,5.632 ; v1@68.667,5.425 71.614,5.425 U2.12@71.821,5.632 ; v1@68.667,24.424 71.614,24.424 U2.12@71.821,24.631 ; v1@68.667,43.424 71.614,43.424 U2.12@71.821,43.631 ; v1@68.667,62.424 71.614,62.424 U2.12@71.821,62.631 ; v1@68.667,81.424 71.614,81.424 U2.12@71.821,81.631
  Bottom Layer w0.3: JTAG1.9@5.934,13.01 6.109,13.185 9.373,13.185 ; JTAG1.9@5.934,32.009 6.109,32.184 9.373,32.184 ; JTAG1.9@5.934,51.009 6.109,51.184 9.373,51.184 ; JTAG1.9@5.934,70.009 6.109,70.184 9.373,70.184 ; JTAG1.9@5.934,89.009 6.109,89.184 9.373,89.184 ; JTAG1.9@6.244,12.7 cw(c7.415,11.529) 7.415,13.185 ; JTAG1.9@6.457,12.488 cw(c8.139,10.805) 8.139,13.185 ; JTAG1.9@6.457,13.533 ccw(c7.297,14.373) 7.297,13.185 ; R5.2@9.181,13.957 cw(c8.72,13.496) 9.373,13.496 ; 9.373,13.177 cw(c10.256,13.177) R5.2@9.755,13.905 ; R5.2@9.5,14.326 9.373,14.199 9.373,13.185 ; R5.2@9.5,33.325 9.373,33.198 9.373,32.184 ; R5.2@9.5,52.325 9.373,52.198 9.373,51.184 ; R5.2@9.5,71.325 9.373,71.198 9.373,70.184 ; R5.2@9.5,90.325 9.373,90.198 9.373,89.184 ; v1@18.563,5.618 ccw(c18.368,5.813) 18.644,5.813 ; v1@18.644,5.512 18.644,12.319 17.778,13.185 9.373,13.185 ; 18.644,5.935 ccw(c19.092,5.935) v1@18.775,5.618 ; v1@18.644,24.511 18.644,31.318 17.778,32.184 9.373,32.184 ; v1@18.644,43.511 18.644,50.318 17.778,51.184 9.373,51.184 ; v1@18.644,62.511 18.644,69.318 17.778,70.184 9.373,70.184 ; v1@18.644,81.511 18.644,88.318 17.778,89.184 9.373,89.184 ; JTAG1.9@55.896,13.01 56.07,13.185 59.334,13.185 ; JTAG1.9@55.896,32.009 56.07,32.184 59.334,32.184 ; JTAG1.9@55.896,51.009 56.07,51.184 59.334,51.184 ; JTAG1.9@55.896,70.009 56.07,70.184 59.334,70.184 ; JTAG1.9@55.896,89.009 56.07,89.184 59.334,89.184 ; R5.2@59.461,14.326 59.334,14.199 59.334,13.185 ; R5.2@59.461,33.325 59.334,33.198 59.334,32.184 ; R5.2@59.461,52.325 59.334,52.198 59.334,51.184 ; R5.2@59.461,71.325 59.334,71.198 59.334,70.184 ; R5.2@59.461,90.325 59.334,90.198 59.334,89.184 ; v1@68.605,5.512 68.605,12.319 67.74,13.185 59.334,13.185 ; v1@68.605,24.511 68.605,31.318 67.74,32.184 59.334,32.184 ; v1@68.605,43.511 68.605,50.318 67.74,51.184 59.334,51.184 ; v1@68.605,62.511 68.605,69.318 67.74,70.184 59.334,70.184 ; v1@68.605,81.511 68.605,88.318 67.74,89.184 59.334,89.184
  other v1: 18.669,5.512 68.631,5.512 18.669,24.511 68.631,24.511 18.669,43.511 68.631,43.511 18.669,62.511 68.631,62.511 18.669,81.511 68.631,81.511
"STM JTCK": SWD1.2 U2.37 | length 115
  Top Layer w0.3: U2.37@28.709,12.482 28.709,14.282 29.121,14.694 37.249,14.694 SWD1.2@37.617,15.062 ; U2.37@28.709,31.481 28.709,33.281 29.121,33.693 37.249,33.693 SWD1.2@37.617,34.061 ; U2.37@28.709,50.481 28.709,52.281 29.121,52.693 37.249,52.693 SWD1.2@37.617,53.061 ; U2.37@28.709,69.481 28.709,71.281 29.121,71.693 37.249,71.693 SWD1.2@37.617,72.061 ; U2.37@28.709,88.481 28.709,90.281 29.121,90.693 37.249,90.693 SWD1.2@37.617,91.061 ; 35.27,14.694 ccw(c35.27,17.402) SWD1.2@37.185,15.487 ; 35.994,14.694 ccw(c35.994,16.677) SWD1.2@37.397,15.275 ; 36.719,14.694 ccw(c36.719,15.953) SWD1.2@37.609,15.063 ; U2.37@78.671,12.482 78.671,14.282 79.083,14.694 87.211,14.694 SWD1.2@87.579,15.062 ; U2.37@78.671,31.481 78.671,33.281 79.083,33.693 87.211,33.693 SWD1.2@87.579,34.061 ; U2.37@78.671,50.481 78.671,52.281 79.083,52.693 87.211,52.693 SWD1.2@87.579,53.061 ; U2.37@78.671,69.481 78.671,71.281 79.083,71.693 87.211,71.693 SWD1.2@87.579,72.061 ; U2.37@78.671,88.481 78.671,90.281 79.083,90.693 87.211,90.693 SWD1.2@87.579,91.061